# Altium PCB 🤣Jlinkv9mini.PcbDoc (continued)
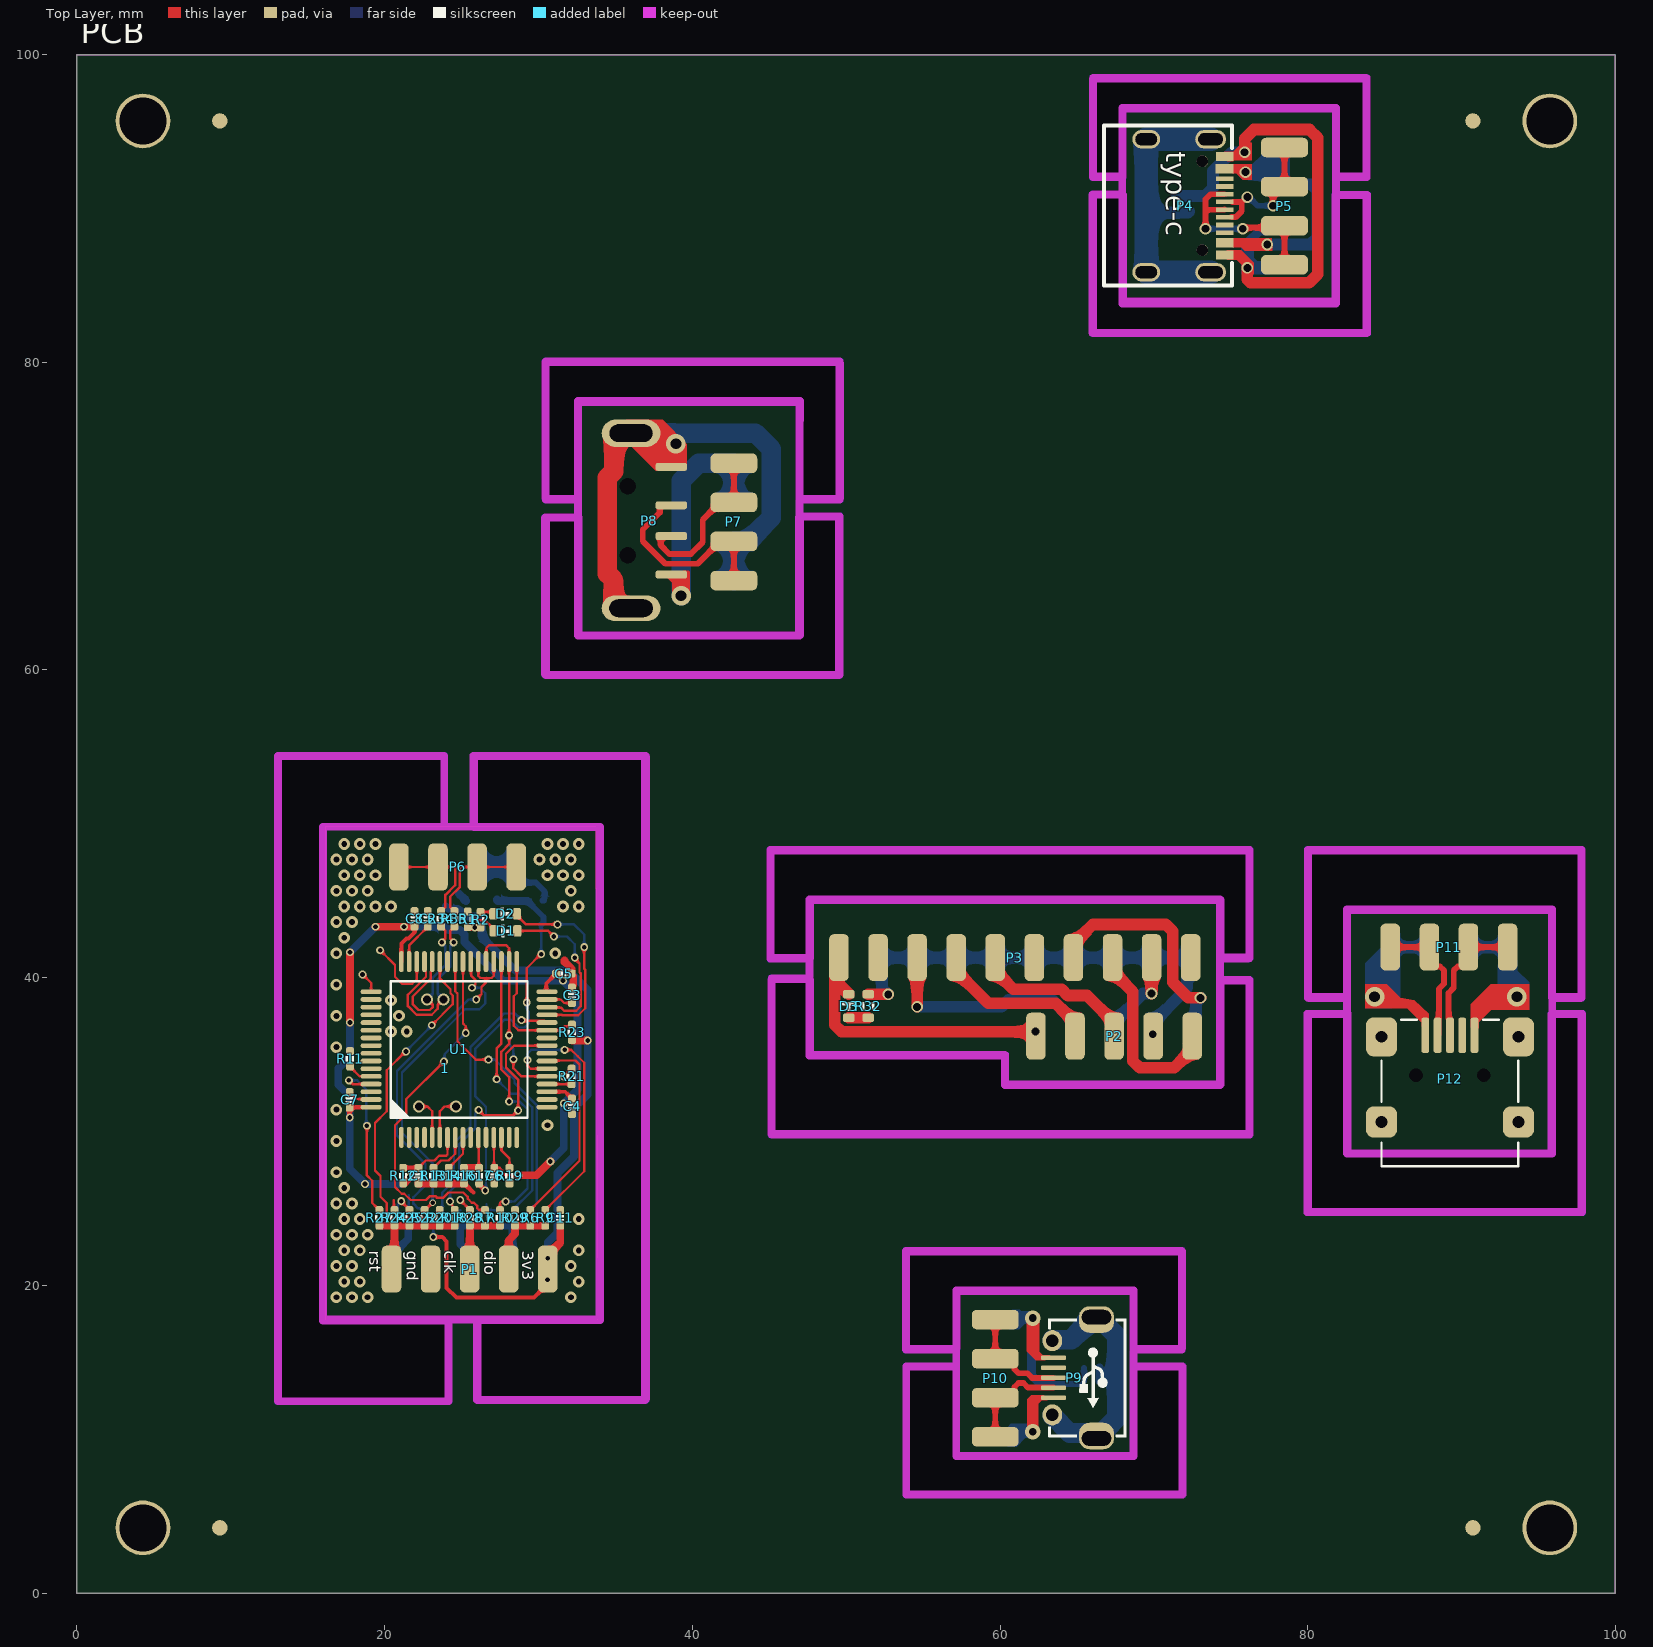
[diagram p0: Top Layer view]
## Footprints (in the part's own frame and the unit in brackets; to place one, negate y for a bottom-side part, rotate by r counter-clockwise, add the part's x,y. Pads: shape width x height; smd on the part's side, far side on the other; paste and mask are expansions set on the pad)
_LQFP_P0.5_64 [mil]
  oval 54x12 smd: 1(-225,147.64) 2(-225,127.95) 3(-225,108.27) 4(-225,88.58) 5(-225,68.9) 6(-225,49.21) 7(-225,29.53) 8(-225,9.84) 9(-225,-9.84) 10(-225,-29.53) 11(-225,-49.21) 12(-225,-68.9) 13(-225,-88.58) 14(-225,-108.27) 15(-225,-127.95) 16(-225,-147.64) 33(225,-147.64) 34(225,-127.95) 35(225,-108.27) 36(225,-88.58) 37(225,-68.9) 38(225,-49.21) 39(225,-29.53) 40(225,-9.84) 41(225,9.84) 42(225,29.53) 43(225,49.21) 44(225,68.9) 45(225,88.58) 46(225,108.27) 47(225,127.95) 48(225,147.64)
  oval 12x54 smd: 17(-147.64,-225) 18(-127.95,-225) 19(-108.27,-225) 20(-88.58,-225) 21(-68.9,-225) 22(-49.21,-225) 23(-29.53,-225) 24(-9.84,-225) 25(9.84,-225) 26(29.53,-225) 27(49.21,-225) 28(68.9,-225) 29(88.58,-225) 30(108.27,-225) 31(127.95,-225) 32(147.64,-225) 49(147.64,225) 50(127.95,225) 51(108.27,225) 52(88.58,225) 53(68.9,225) 54(49.21,225) 55(29.53,225) 56(9.84,225) 57(-9.84,225) 58(-29.53,225) 59(-49.21,225) 60(-68.9,225) 61(-88.58,225) 62(-108.27,225) 63(-127.95,225) 64(-147.64,225)
  silkscreen extent -175,-175 175,175, body extent -236,-236 236,236, height 59
_SOT23-3 [mil]
  rrect50% 30x24 smd: 1(-47,38) 2(-47,-38) 3(47,0)
  silkscreen extent -21,-53 21,53, body extent -55,-57 55,57, height 51
CAP_0402 [mil]
  rrect50% 20x20 smd: 1(-20,0) 2(20,0)
  silkscreen extent -7,-9 7,9, body extent -23,-10 23,10, height 22
"FER 0603/1608" [mm] "Chip Ferrite, 2-Leads, Body 1.60x0.80mm, IPC Medium Density"
  rect 0.9x1 smd: 1(-0.675,0) 2(0.675,0)
  silkscreen extent -1.4,-0.7 1.4,0.7, body extent -0.8,-0.41 0.8,0.41, height 0.82
HDR2X4_2.54_180H [mil]
  rrect50% 120x50 smd: 1(0,0) 3(0,-100) 5(0,-200) 7(0,-300)
  rrect50% 120x50 smd far side: 2(0,0) 4(0,-100) 6(0,-200) 8(0,-300)
  body extent -38,-350 415,50, height 78
HDR2X4_2.54_180HF [mil]
  rrect50% 120x50 smd: 1(0,0) 3(0,-100) 5(0,-200) 7(0,-300)
  rrect50% 120x50 smd far side: 2(0,0) 4(0,-100) 6(0,-200) 8(0,-300)
  body extent -36,-355 425,55, height 76
HDR2X5_2.54_180H [mil]
  rrect50% 120x50 smd: 1(0,0) 3(0,-100) 5(0,-200) 7(0,-300) 9(0,-400)
  rrect50% 120x50 smd far side: 2(0,0) 4(0,-100) 6(0,-200) 8(0,-300) 10(0,-400)
  body extent -68,-450 385,50, height 100
HDR2X10_2.54_180HF [mil]
  rrect50% 120x50 smd: 1(0,0) 3(0,-100) 5(0,-200) 7(0,-300) 9(0,-400) 11(0,-500) 13(0,-600) 15(0,-700) 17(0,-800) 19(0,-900)
  rrect50% 120x50 smd far side: 2(0,0) 4(0,-100) 6(0,-200) 8(0,-300) 10(0,-400) 12(0,-500) 14(0,-600) 16(0,-700) 18(0,-800) 20(0,-900)
  body extent -41,-955 420,55, height 76
IMAGE [mm]
LED_0603 [mil]
  rrect50% 22x30 smd: 1(-30,0) 2(30,0)
  silkscreen extent -10,-16 10,16, body extent -31,-16 32,16, height 21
"MURATA CSTCE" [mm] "murata CSTCE serials crystal"
  rrect50% 0.5x2 smd: 1(-1.199,0) 3(1.199,0)
  rrect50% 0.5x1.6 smd: 2(0,0)
  silkscreen extent -1.78,-1.27 1.78,1.27, body extent -1.6,-0.64 1.6,1.52, height 1.02
PCB_100x100 [mm]
  round 1 smd mask+1: 0(-40.72,45.72) 0(-40.72,-45.72) 0(40.72,-45.72) 0(40.72,45.72)
  round 3.556 hole 3.048 mask+0: 1(-45.72,45.72) 2(-45.72,-45.72) 3(45.72,-45.72) 4(45.72,45.72)
PPTC_0603 [mil]
  rrect50% 22x30 smd: 1(-30,0) 2(30,0)
  silkscreen extent -10,-3 10,3, body extent -31,-15 31,15, height 30
RES_0402 [mil]
  rrect50% 20x20 smd: 1(-20,0) 2(20,0)
  silkscreen extent -7,-10 7,10, body extent -20,-10 20,10, height 16
RES_0603 [mil]
  rrect50% 22x30 smd: 1(-30,0) 2(30,0)
  silkscreen extent -10,-16 10,16, body extent -32,-16 32,16, height 20
"TP Circle" [mm]
  round 1 smd: 1(0,0)
  silkscreen extent -0.76,-0.76 0.76,0
USB_Micro-AB [mil]
  rrect80% 68x90 hole 37 slot 75 at 90 deg copper offset 6,0 mask+0: 0(-155,10)
  oval 54x50 hole 32 mask+0: 0(-95,-103) 0(95,-103)
  rrect80% 68x90 hole 37 slot 75 at 90 deg copper offset -6,0 mask+0: 0(155,10)
  rrect50% 12x64 smd: 1(51.18,-100) 2(25.59,-100) 3(0,-100) 4(-25.59,-100) 5(-51.18,-100)
  silkscreen extent -151,-113 151,86, body extent -161,-109 161,104, height 108
USB_Mini-B [mil]
  rrect50% 80x80 smd: 0(-175.2,221.69) 0(175.2,221.69)
  rrect50% 80x100 smd: 0(-175.2,3.94) 0(175.2,3.94)
  round 23.62 hole 35.43 unplated: 0(-86.61,102.36) 0(86.61,102.36)
  rrect50% 20x90 smd: 1(62.99,0) 2(31.5,0) 3(0,0) 4(-31.5,0) 5(-62.99,0)
  silkscreen extent -175,-40 175,335, body extent -211,-28 211,335, height 156
USB_Plug_TypeA [mil]
  round 32 hole 42: 0(-106.3,88.58) 0(-106.3,-88.58)
  rrect50% 80x20 smd: 1(-218,137.8) 2(-218,39.37) 3(-218,-39.37) 4(-218,-137.8)
  oval 150x65 hole 45 slot 111 at 0 deg: 4(-115,224)
  oval 150x70 hole 45 slot 110 at 0 deg: 4(-115,-224)
  body extent -146,-236 576,236, height 70
USB_TypeC [mm]
  oval 1.2x2 hole 0.8 slot 1.6 at 90 deg: 0(-4.32,1.633) 0(4.32,1.633)
  oval 1.2x1.8 hole 0.8 slot 1.4 at 90 deg: 0(-4.32,-2.547) 0(4.32,-2.547)
  rect 0.3x1.15 smd: A1(-3.35,2.546) A4(-2.55,2.543) A5(-1.25,2.547) A6(-0.25,2.547) A7(0.25,2.546) A8(-1.75,2.547) A9(2.55,2.547) A12(3.35,2.547) B1(3.05,2.547) B4(2.25,2.547) B5(1.75,2.547) B6(0.75,2.547) B7(-0.75,2.546) B8(1.25,2.547) B9(-2.25,2.543) B12(-3.05,2.546)
  round 0.75 hole 0.75 unplated: ""(-2.89,1.102) ""(2.89,1.102)
  silkscreen extent -5.21,-5.3 5.18,3.03, body extent -4.47,-5.1 4.47,2.8, height 3.21

## Part data
C1 C2 C3 C4 C5 C6 C7 C8 C9 C10 C11 C12 C13: library part Cap_0402, "Capacitor", Specification="X7R 50V", Type=0402
D1 D2 D3: library part LED_0603, "LED", Type=0603
F1: library part Fuse, "resettable fuse"
FB1: "Ferrite Bead"
P1 P2 P3 P5 P6 P7 P10 P11: "Header"
P4: library part USB_TypeC, "USB type-c cable"
P8: "USB"
P9: library part USB_Micro, "USB", Type=B-type
P12: library part USB_Mini, "USB"
PCB: "PCB"
R1 R2 R3 R4 R5 R6 R7 R8 R9 R10 R11 R12 R13 R14 R15 R16 R17 R18 R19 R20 R21 R22 R23 R24 R25 R26 R27 R28 R29 R30 R31 R32 R33 R34 R35 R36: library part Res, "SMT Resistor"
TP1 TP2: library part "Test Point", "Test"
U1: "ARM Cortex-M3 32-bit MCU, 512 KB Flash, 128 KB Internal RAM, 51 I/Os, 64-pin LQFP, -40 to 85 degC, Tray", I/Os (High Current)=51, Operating Frequency(F) (Processor speed) (MHz)=120, Supplier Part Number 1=497-11155-ND, Supply Voltage(Vcc) min (V)=1.8, ComponentLink1Description="Manufacturer URL", ComponentLink1URL=http://www.st.com/web/en/home.html, ComponentLink2Description=Datasheet, ComponentLink2URL=http://www.st.com/st-web-ui/static/active/en/resource/technical/document/datasheet/CD00237391.pdf, ComponentLink3Description="Package Specification", ComponentLink3URL=http://www.st.com/st-web-ui/static/active/en/resource/technical/document/datasheet/DM00037051.pdf, Core="ARM Cortex-M3", D/A Converter="2x12-bit (2 Channel)", DatasheetVersion="Rev. 9", FLASH Size (Prog) (kB)=512, Internal RAM Size (kB)=128, Mounting Technology="Surface Mount", PackageDescription="64-Pin Low Profile Quad Flat Package, 10 x 10 mm Body, 0.5 mm Pitch", PackageReference=LQFP64, PackageVersion="Rev. 4, 06/2013", Packing=Tray, PartNumber=STM32F205RET6, Supplier 1=Digi-Key, Supplier 2=Farnell, Supplier 3=Newark, Supplier 4=Mouser, Supplier Part Number 2=2060897, Supplier Part Number 3=47T9329, Supplier Part Number 4=511-STM32F205RET6
U2: "Regulator LDO"
Y1: library part XTAL_MURATA_3P, "Crystal Oscillator With Caps Inside"

## Free pads (board coordinates)
  round 1.524 hole 0.762: 2(84.79,36.155) 3(84.79,30.624) 4(93.69,30.624) 5(93.69,36.155)

## Via types
v1: diameter 0.762, hole 0.381, Top Layer to Bottom Layer, tented both sides, 66 vias
v2: diameter 0.508, hole 0.305, Top Layer to Bottom Layer, tented both sides, 47 vias
v3: diameter 0.762, hole 0.508, Top Layer to Bottom Layer, 14 vias
v4: diameter 0.762, hole 0.508, Top Layer to Bottom Layer, tented both sides, 4 vias
v5: diameter 1.27, hole 0.711, Top Layer to Bottom Layer, 4 vias
v6: diameter 0.508, hole 0.305, Top Layer to Bottom Layer, 3 vias
v7: diameter 1.016, hole 0.508, Top Layer to Bottom Layer, 2 vias
v8: diameter 0.406, hole 0.305, Top Layer to Bottom Layer, tented both sides, 1 vias

## Nets (pads, with @x,y where several pads share a name; then routed paths per layer and width w, separated by ;. In a path a pad name is that pad's centre, name@x,y a point inside that pad or via, vN(x,y) a via of type N, cw(c..) or ccw(c..) an arc to the next point about the centre after c; other vN are vias at no path point)
+3V3: C4.2 C5.2 C6.2 C7.2 C8.2 FB1.1 R12.2 U1.13 U1.19 U1.32 U1.48 U1.64 | length 65.2
  Top Layer w0.152: C7.2 C7.2@17.764,31.583 ; U1.48@21.087,41.052 U1.48 ; R12.2 R12.2@21.209,26.631 ; v2@21.62,27.042 v2(21.62,27.052) ; U1.13 27.111,29.598 C6.2@27.111,27.657 ; C6.2 27.483,27.637 27.635,27.484 27.635,27.362 27.844,27.154 v2(28.702,27.154) ; U1.32@30.505,39.134 U1.32
  Top Layer w0.254: v2(17.729,30.913) C7.2 ; C7.2@17.764,31.583 U1.64 ; U1.48@21.087,41.052 21.087,42.221 21.412,42.546 21.544,42.546 21.946,42.948 C8.2 ; U1.32@30.505,39.134 30.505,39.625 C5.2 v2(31.598,39.803) ; U1.19 31.74,32.583 C4.2 31.917,31.876 31.697,31.876 v2(31.648,31.828)
  Top Layer w0.508: v2(17.755,37.085) v2(17.755,41.657) ; v2(19.406,43.308) v2(21.26,43.308) C8.2 ; R12.2@21.209,26.631 v2@21.62,27.042 ; v2(28.702,27.154) 29.87,27.154 v2(30.772,28.056)
  Bottom Layer w0.254: FB1.1@23.963,43.308 FB1.1
  Bottom Layer w0.508: v2(17.755,37.085) 17.755,34.85 16.993,34.088 16.993,33.047 17.729,32.31 v2(17.729,30.913) 17.729,27.586 v2(18.72,26.595) 21.162,26.595 v2(21.62,27.052) ; v2(17.755,41.657) v2(19.406,43.308) ; v2(21.26,43.308) FB1.1@23.963,43.308 ; FB1.1 24.174,43.098 24.899,43.098 25.197,42.8 25.197,42.318 27.711,39.803 v2(31.598,39.803) 32.537,38.863 32.537,32.717 v2(31.648,31.828) 31.648,28.932 v2(30.772,28.056)
+3V3_ldo: C10.2 C11.2 FB1.2 P1.1 P1.2 R1.2 R2.2 R3.2 R23.1 R25.1 U2.2 | length 53.2
  Top Layer w0.152: v2(21.082,25.478) 21.082,25.454 21.62,24.917 R25.1 ; R1.2 R1.2@25.413,43.27 ; R2.2@26.226,43.27 R2.2
  Top Layer w0.254: v2(23.165,23.141) 23.749,23.141 24.028,22.861 24.028,19.839 24.663,19.204 29.718,19.204 P1.1@30.531,20.017
  Top Layer w0.381: R1.2@25.413,43.27 R2.2@26.226,43.27
  Top Layer w0.508: v6(30.607,21.769) 30.607,21.981 31.42,22.794 C11.2 ; R23.1 32.199,35.917 v2(33.198,35.917)
  Bottom Layer w0.152: v2(21.082,25.478) 20.853,25.249 20.853,24.815 21.308,24.36 22.935,24.36 23.165,24.36 ; v2(23.165,23.141) 23.165,24.36 ; R3.2 24.81,24.784 24.438,24.784 24.014,24.36 23.165,24.36
  Bottom Layer w0.508: FB1.2 24.174,44.448 24.819,44.448 C10.2 25.991,43.969 26.289,43.671 26.289,42.75 U2.2 26.34,42.623 28.499,40.464 31.928,40.464 33.198,39.194 v2(33.198,35.917) 33.198,32.412 32.309,31.523 32.309,28.373 31.242,27.306 31.242,23.42 30.607,22.785 v6(30.607,21.769)
  other v2: 25.856,43.258
  other v6: 30.585,20.372
+5V: C9.2 F1.2 R17.2 U2.3 | length 25.7
  Top Layer w0.152: v2(29.235,38.381) 29.235,40.616 30.15,41.53 v2(30.175,41.53)
  Top Layer w0.254: R17.2@26.115,26.592 v2(26.543,26.163)
  Bottom Layer w0.152: v2(26.543,26.163) 26.594,26.214 26.594,31.596 26.543,31.647 26.543,31.65 25.883,32.31 25.883,35.359 27.38,36.857 27.785,37.262 28.196,37.262 28.701,36.756 29.101,36.756 29.384,37.039 29.384,37.774 29.259,37.898 29.259,38.357 v2(29.235,38.381) ; v2(30.175,41.53) F1.2@30.175,43.461
  Bottom Layer w0.381: C9.2 30.328,43.943 30.328,43.613 F1.2@30.175,43.461
  Bottom Layer w0.508: U2.3 27.305,45.036 27.356,44.985 C9.2
+usb_a: P7.2 P7.4 P8.1 | length 13.9
  Bottom Layer w1.27: v5(39.268,64.821) 39.268,72.288 40.411,73.431 P7.2 P7.4
+usb_c: P4.A4 P4.A9 P4.B4 P4.B9 P5.2 P5.4 | length 8.9
  Bottom Layer w0.762: v3(77.368,87.655) 80.173,87.655 80.62,88.102 80.62,91.186 80.239,91.567 78.638,91.567 P5.4
  other v3: 75.946,92.354
+usb_micro: P9.1 P10.2 P10.4
  other v7: 62.128,10.49
+usb_mini: P11.2 P11.4 P12.1 | length 3.4
  Top Layer w0.381: P12.1 P12.1@87.64,37.144
  Bottom Layer w0.762: P11.2 P11.4
  other v5: 84.348,38.76
+VBUS: F1.1 P6.6 P6.8 | length 6.1
  Bottom Layer w0.381: P6.8 28.55,46.614 28.984,46.179 29.82,46.179 30.404,45.594 30.404,45.166 30.248,45.01 F1.1
  Bottom Layer w1.27: P6.6 P6.8
-usb_a: P7.6 P7.8 P8.4 | length 33.4
  Top Layer w1.27: P8.4@36.017,64.008 35.041,64.008 34.865,64.184 34.865,65.872 34.475,66.261 34.475,72.495 34.904,72.923 34.904,75.153 35.139,75.387 P8.4@36.017,75.387
  Bottom Layer w1.27: P8.4@36.017,75.387 44.094,75.387 45.136,74.346 45.136,69.901 43.586,68.351 P7.6 P7.8
  other v5: 38.925,74.701
-usb_c: C12.2 P4.A1 P4.A12 P4.B1 P4.B12 P5.6 P5.8 R33.2 | length 26.9
  Top Layer w0.254: P4.B12@74.572,93.197 P4.B12
  Top Layer w0.762: v3(75.895,93.65) 75.895,94.537 76.481,95.123 80.112,95.123 80.645,94.59 80.645,85.725 80.086,85.166 76.284,85.166 76.073,85.377 v3(76.073,86.131)
  Bottom Layer w0.762: C12.2 73.304,90.805 73.838,91.338 73.838,92.431 75.057,93.65 v3(75.895,93.65)
-usb_micro: C13.2 P9.5 P10.6 P10.8 R36.2 | length 1.8
  Bottom Layer w0.381: 64.592,13.589 65.278,13.589 R36.2 C13.2
  other v7: 62.128,17.874
-usb_mini: P11.6 P11.8 P12.5 | length 2.5
  Bottom Layer w0.762: P11.6 P11.8
  other v5: 93.593,38.76
GND: C1.2 C2.1 C3.1 C4.1 C5.1 C6.1 C7.1 C8.1 C9.1 C10.1 C11.1 P1.7 P1.8 P6.2 P6.4 PCB.1 PCB.2 PCB.3 PCB.4 R11.2 R13.1 R14.1 R16.1 R19.1 R21.1 R24.1 R26.1 R28.1 R29.1 R30.1 R31.1 U1.12 U1.18 U1.63 U2.1 Y1.2 | length 13.3
  Top Layer w0.152: C7.1 18.184,32.109 19.1,32.109 U1.63 ; 20.599,25.553 20.599,24.934 R24.1 ; v2(24.916,25.554) 24.916,25.535 25.54,24.912 R28.1 ; v2(31.648,33.58) 32.029,33.961 R21.1
  Top Layer w0.254: R16.1@25.18,26.621 25.765,26.036
  Top Layer w0.508: C1.2 R14.1 R16.1 R16.1@25.18,26.621 ; 31.698,41.124 31.698,41.028 32.156,40.57 C5.1 32.156,40.178 32.258,40.077 32.258,39.53 32.182,39.454 C3.1
  Bottom Layer w0.152: R26.1 21.565,24.927 21.565,25.859 ; R30.1 26.618,24.893 ; 26.618,24.482 26.618,24.893 ; 26.618,25.276 26.618,24.893 ; R31.1 26.618,24.893
  Bottom Layer w0.508: 24.818,45.465 C10.1
  other v1: 16.866,19.228 17.882,19.228 18.898,19.228 32.106,19.228 17.374,20.244 18.39,20.244 32.614,20.244 16.866,21.26 17.882,21.26 32.106,21.26 17.374,22.276 18.39,22.276 32.614,22.276 16.866,23.292 17.882,23.292 18.898,23.292 17.374,24.308 18.39,24.308 32.614,24.308 16.866,25.324 17.882,25.324 17.374,26.34 16.866,27.356 16.866,29.388 30.582,30.404 16.866,31.42 16.866,35.484 20.422,36.5 21.438,36.5 16.866,37.516 20.93,37.516 20.422,38.532 16.866,39.548 16.866,41.58 31.09,41.58 17.374,42.596 16.866,43.612 17.882,43.612 17.374,44.628 18.39,44.628 19.406,44.628 20.422,44.628 31.598,44.628 32.614,44.628 16.866,45.644 17.882,45.644 18.898,45.644 32.106,45.644 17.374,46.66 18.39,46.66 19.406,46.66 30.582,46.66 31.598,46.66 32.614,46.66 16.866,47.676 17.882,47.676 18.898,47.676 30.074,47.676 31.09,47.676 32.106,47.676 17.374,48.692 18.39,48.692 19.406,48.692 30.582,48.692 31.598,48.692 32.614,48.692
jlink_rx: P2.6 P3.17 | length 6.4
  Top Layer w0.762: v3(69.85,38.965) P3.17
  Bottom Layer w0.762: P2.6 67.41,37.085 69.289,38.965 v3(69.85,38.965)
jlink_tx: P2.8 P3.5 | length 15.1
  Top Layer w0.762: v3(54.61,38.101) P3.5
  Bottom Layer w0.762: v3(54.61,38.101) 60.096,38.101 60.554,38.559 63.396,38.559 64.87,37.085 P2.8
mcu_usb_N: R34.1 U1.44 | length 11
  Top Layer w0.152: v4(22.758,38.584) 22.785,38.584 23.139,38.229 23.139,38.103 22.935,37.898 22.2,37.898 21.819,38.279 21.819,38.763 22.994,39.938 22.994,40.376 23.091,40.473 U1.44 ; R34.1 23.685,43.308 23.952,43.041 23.952,42.56 23.724,42.331 v2(23.724,42.292)
  Bottom Layer w0.152: v4(22.758,38.584) 23.139,38.965 23.139,40.006 23.952,40.819 23.952,42.025 23.724,42.254 v2(23.724,42.292)
mcu_usb_P: R35.1 U1.45 | length 12.1
  Top Layer w0.152: U1.45 22.591,40.473 22.689,40.376 22.689,40.064 21.514,38.889 21.514,38.153 22.073,37.593 23.061,37.593 23.444,37.977 23.444,38.229 23.799,38.584 v4(23.825,38.584) ; v2(24.486,42.292) 24.486,42.331 24.257,42.56 24.257,43.041 24.524,43.308 R35.1
  Bottom Layer w0.152: v4(23.825,38.584) 23.444,38.965 23.444,39.879 24.257,40.692 24.257,42.025 24.486,42.254 v2(24.486,42.292)
NetC1_1: C1.1 R12.1 U1.7 | length 4.3
  Top Layer w0.152: C1.1 22.679,28.119 23.234,28.119 23.539,28.424 24.002,28.424 24.091,28.513 U1.7
  Top Layer w0.254: R12.1 C1.1
NetC2_2: C2.2 U1.47 | length 2.8
  Top Layer w0.152: U1.47 21.591,42.091 C2.2
NetC3_2: C3.2 U1.31 | length 1.7
  Top Layer w0.152: U1.31 31.446,38.583 31.674,38.355 32.165,38.355 C3.2
NetC12_1: C12.1 P4.0 R33.1 | length 19.8
  Bottom Layer w0.762: 69.502,89.713 72.212,89.713 R33.1
  Bottom Layer w1.524: P4.0@73.682,85.85 69.502,85.85 69.502,89.713 69.502,94.49 P4.0@73.682,94.49
NetC13_1: C13.1 P9.0 R36.1 | length 18.5
  Bottom Layer w0.381: P9.0@66.269,17.932 P9.0@66.472,17.729
  Bottom Layer w0.508: R36.1 66.472,14.224 ; C13.1@66.472,14.681 66.472,14.224 ; 67.589,14.224 66.472,14.224
  Bottom Layer w1.27: P9.0@63.398,11.582 63.398,11.532 64.525,10.405 65.922,10.405 66.269,10.058 66.365,10.058 66.742,10.435 66.742,10.532 67.589,11.379 67.589,14.224 67.589,16.708 66.365,17.932 66.269,17.932 66.111,17.932 64.638,16.459 63.398,16.459 P9.0@63.398,16.408
NetD1_1: D1.1 R1.1 | length 2.3
  Top Layer w0.152: R1.1 25.959,43.74 26.512,43.74 27.102,43.151 D1.1
NetD2_1: D2.1 R2.1 | length 1
  Top Layer w0.152: R2.1 26.949,44.274 D2.1 D2.1@27.076,44.248
NetD3_2: D3.2 R32.1 | length 1.3
  Top Layer w0.762: D3.2 R32.1
NetR11_1: R11.1 U1.60 | length 1.6
  Top Layer w0.152: R11.1 18.387,33.583 U1.60
NetU1_5: U1.5 Y1.1 | length 2.7
  Top Layer w0.152: v4(22.225,31.624) 22.784,31.624 23.091,31.317 U1.5
NetU1_6: U1.6 Y1.3 | length 2.9
  Top Layer w0.152: U1.6 23.591,31.314 23.901,31.624 v4(24.638,31.625)
PA0: R19.2 U1.14 | length 2.2
  Top Layer w0.152: U1.14 27.591,28.773 28.118,28.246 R19.2
PA1: U1.15
PA2: U1.16
PA3: U1.17
PA4: R21.2 U1.20 | length 1.6
  Top Layer w0.152: U1.20 30.561,33.078 32.151,33.078 R21.2
PA5: R10.1 U1.21 U1.34 U1.37 | length 26.9
  Top Layer w0.152: U1.37 26.62,41.077 26.62,41.938 26.797,42.115 27.889,42.115 28.091,41.913 U1.34 28.092,41.047 v2(28.092,36.247) 28.092,35.684 27.584,35.176 27.584,34.037 28.091,33.531 v2(28.091,31.955) ; R10.1@27.678,24.893 R10.1 27.5,25.368 27.584,25.452 v2(27.864,25.452) ; v2(28.372,34.698) 28.372,34.112 28.901,33.583 U1.21
  Bottom Layer w0.152: v2(27.864,25.452) 28.437,25.452 29.286,26.302 29.286,31.443 28.775,31.955 v2(28.091,31.955) ; v2(28.092,36.247) 28.118,36.222 28.118,35.621 28.372,35.367 v2(28.372,34.698)
PA6: R9.1 U1.22 | length 16.9
  Top Layer w0.152: v2(29.292,34.639) 29.292,34.295 29.503,34.083 U1.22 ; R9.1 32.969,27.423 32.969,34.475 32.553,34.891 32.136,35.307 v2(31.699,35.307)
  Bottom Layer w0.152: v2(29.292,34.639) 29.292,35.074 29.525,35.307 v2(31.699,35.307)
PA7: R6.1 U1.23 | length 13
  Top Layer w0.152: R6.1 32.664,28.098 32.664,34.348 32.401,34.612 30.585,34.612 U1.23
PA8: R5.1 U1.41 | length 19.3
  Top Layer w0.152: U1.41 24.591,39.111 24.74,38.963 24.74,35.862 25.929,34.672 v2(26.746,34.672)
  Bottom Layer w0.152: v2(26.746,34.672) 27.153,34.672 28.442,33.384 28.442,33.15 29.896,31.696 29.896,25.351 R5.1
PA9: U1.42
PA10: R20.1 U1.43 | length 22.9
  Top Layer w0.152: v2(21.387,35.206) 21.361,35.206 20.142,33.987 20.142,31.32 19.38,30.558 19.38,27.459 19.736,27.103 19.736,25.757 20.142,25.351 20.142,24.634 20.365,24.411 23.097,24.411 R20.1 ; v2(23.063,36.908) 24.435,38.279 24.435,38.837 24.286,38.985 24.286,39.244 23.591,39.94 U1.43
  Bottom Layer w0.152: v2(21.387,35.206) 21.387,35.219 23.063,36.895 v2(23.063,36.908)
PA13: TP2.1 U1.46 | length 5
  Top Layer w0.152: v2(19.71,41.784) 20.676,40.819 20.676,40.057 21.133,39.6 21.794,39.6 22.091,39.897 U1.46
PA14: TP1.1 U1.49 | length 1.4
  Top Layer w0.152: v2(18.567,40.21) 19.126,39.651 U1.49
PA15: U1.50
PB0: U1.26
PB1: R23.2 U1.27 U1.33 | length 8.3
  Top Layer w0.152: U1.33 28.591,38.981 28.397,38.787 28.397,36.875 28.696,36.576 30.549,36.576 U1.27 31.451,36.583 31.699,36.831 32.063,36.831 R23.2
PB2: R4.1 U1.28 | length 17.5
  Top Layer w0.152: v2(28.901,37.239) 28.938,37.202 30.389,37.202 30.532,37.059 U1.28
  Bottom Layer w0.152: R4.1 23.744,24.941 23.744,26.04 24.511,26.808 24.511,29.262 25.578,30.329 25.578,35.485 27.432,37.339 27.759,37.667 28.473,37.667 v2(28.901,37.239)
PB3: U1.55
PB4: U1.56
PB5: U1.57
PB6: U1.58
PB7: U1.59
PB8: R27.1 U1.61 | length 11.1
  Top Layer w0.152: v6(17.678,33.326) 17.922,33.083 U1.61 ; v2(18.847,30.38) 18.847,27.151 19.202,26.795 19.202,25.351 R27.1
  Bottom Layer w0.152: v6(17.678,33.326) 18.212,33.326 18.805,32.733 18.805,30.422 v2(18.847,30.38)
PB9: U1.62
PB10: D2.2 U1.29 | length 12.5
  Top Layer w0.152: D2.2 28.6,44.045 29.185,43.461 v2(31.241,43.461) ; U1.29 31.505,37.583 31.536,37.551 32.582,37.551 33.045,38.014 33.045,40.509 32.969,40.585 v2(32.969,41.986)
  Bottom Layer w0.152: v2(31.241,43.461) 32.308,43.461 32.969,42.799 v2(32.969,41.986)
PB11: D1.2 U1.30 | length 10.7
  Top Layer w0.152: D1.2 30.635,43.041 v2(31.003,42.673) ; U1.30 30.585,38.054 31.465,38.054 31.663,37.856 32.456,37.856 32.741,38.14 32.741,40.277 32.664,40.353 32.664,40.925 32.358,41.231 v2(32.358,41.302)
  Bottom Layer w0.152: v2(31.003,42.673) 31.85,42.673 32.358,42.165 v2(32.358,41.302)
PB14: R8.1 U1.35 | length 18.1
  Top Layer w0.152: v2(27.28,33.402) 27.28,35.402 27.591,35.714 U1.35
  Bottom Layer w0.152: v2(27.28,33.402) 28.23,32.452 28.709,32.452 29.591,31.57 29.591,26.175 R8.1
PB15: R15.1 U1.36 U1.38 | length 22.4
  Top Layer w0.152: v2(25.959,38.584) 26.302,38.927 26.302,39.384 26.594,39.676 26.594,39.981 ; U1.38 26.091,40.128 26.238,39.981 26.594,39.981 ; U1.36 27.091,40.123 26.949,39.981 26.594,39.981
  Bottom Layer w0.152: R15.1 22.551,25.003 22.179,25.003 21.869,25.313 21.869,25.733 22.657,26.52 22.657,27.891 20.803,29.745 20.803,33.936 25.451,38.584 v2(25.959,38.584)
PC0: R13.2 U1.8 | length 2.9
  Top Layer w0.152: R13.2 23.666,28.119 24.155,28.119 24.591,28.555 U1.8
PC1: R14.2 U1.9 | length 2.4
  Top Layer w0.152: R14.2 25.091,28.558 U1.9
PC2: U1.10
PC3: R16.2 R17.1 U1.11 | length 3
  Top Layer w0.152: U1.11 26.118,29.592 26.118,27.663 R17.1
  Top Layer w0.508: R16.2 R17.1
PC4: U1.24
PC5: R18.1 U1.25 | length 17.1
  Top Layer w0.152: v2(24.256,25.452) 24.256,25.356 24.413,25.199 24.413,25.04 R18.1 ; v2(26.111,31.396) 26.441,31.066 28.372,31.066 v2(28.677,31.37) 28.677,33.376 27.889,34.164 27.889,35.05 28.422,35.583 U1.25
  Bottom Layer w0.152: v2(24.256,25.452) 24.256,26.121 24.841,26.707 24.841,29.161 25.883,30.203 25.883,31.167 v2(26.111,31.396)
PC8: R22.1 U1.39 | length 20.9
  Top Layer w0.152: R22.1@22.6,24.893 22.627,24.893 23.104,25.371 v8(23.12,25.371) ; U1.39 25.62,41.019 25.62,40.134 25.908,39.847 25.908,39.575 v2(25.679,39.346)
  Bottom Layer w0.152: v8(23.12,25.371) 23.12,27.935 21.133,29.923 21.133,33.835 25.247,37.949 26.162,37.949 26.543,38.33 26.543,38.99 26.187,39.346 v2(25.679,39.346)
PC9: R7.1 U1.40 | length 23.7
  Top Layer w0.152: v2(23.851,34.545) 21.412,32.107 21.412,31.142 20.676,30.405 20.676,26.397 21.113,25.96 21.282,25.96 21.693,25.55 22.689,25.55 22.942,25.803 23.299,25.803 23.396,25.706 23.827,25.706 24.158,26.036 25.116,26.036 25.399,25.754 25.399,25.641 25.664,25.376 25.814,25.376 26.022,25.168 26.022,25.018 26.146,24.893 R7.1 ; U1.40 25.091,37.027 25.273,36.845 v2(25.273,36.404)
  Bottom Layer w0.152: v2(23.851,34.545) 23.897,34.592 23.897,35.028 v2(25.273,36.404)
PC10: U1.51
PC11: U1.52
PC12: U1.53
PC13: U1.2
PC14: U1.3
PC15: U1.4
RST: P1.9 R18.2 R20.2 R22.2 R24.2 R25.2 R27.2 | length 7.8
  Top Layer w0.152: P1.9 P1.9@20.64,21.251
  Top Layer w0.508: R27.2 R24.2 ; P1.9@20.64,21.251 R24.2 ; R18.2 R20.2 R22.2 R25.2 R24.2
RXD: P1.6 R3.1 R4.2 R30.2 | length 5.3
  Bottom Layer w0.152: P1.6 P1.6@25.527,22.078
  Bottom Layer w0.508: R4.2 R3.1 ; P1.6@25.527,22.078 24.92,22.684 R3.1 ; R30.2 R3.1
swd_3v3: D3.1 P2.9 P2.10 P3.1 | length 18.8
  Top Layer w0.762: D3.1 49.53,39.549 49.53,40.413 49.276,40.159 49.276,39.358 49.251,39.333 49.251,36.922 49.697,36.476 62.076,36.476 62.33,36.222 P2.9
  other v3: 62.306,36.501
swd_clk: P2.5 P3.9 | length 10.9
  Top Layer w0.762: P3.9 59.69,40.413 60.858,39.244 64.004,39.244 64.41,38.838 65.657,38.838 67.41,37.085 P2.5
swd_dio: P2.7 P3.7 | length 10.9
  Top Layer w0.762: P3.7 57.15,40.413 59.233,38.33 63.625,38.33 64.87,37.085 P2.7
swd_gnd: P2.3 P2.4 P3.4 P3.6 P3.8 P3.10 P3.12 P3.14 P3.16 P3.18 P3.20 R32.2 | length 30
  Top Layer w0.762: R32.2 v3(52.73,38.914)
  Bottom Layer w0.762: v3(52.73,38.914) 52.324,39.321 52.324,41.302 P3.6 P3.8 P3.10 P3.12 P3.14 P3.16 P3.18 P3.20 72.136,41.048 72.136,39.272 69.95,37.085 P2.4
  other v3: 69.924,36.323
swd_rst: P2.1 P3.15 | length 12.7
  Top Layer w0.762: P3.15 67.31,40.413 68.631,39.092 68.631,34.585 69.077,34.139 71.321,34.139 72.49,35.307 P2.1
swd_swo: P2.2 P3.13 | length 16.3
  Top Layer w0.762: P3.13 64.77,42.191 66.04,43.461 70.775,43.461 71.222,43.015 71.222,39.702 72.238,38.686 v3(73.025,38.686)
  Bottom Layer w0.762: P2.2 72.744,36.45 72.744,38.379 v3@73.05,38.686
TCK: P1.5 R7.2 R10.2 R28.2 | length 4.8
  Top Layer w0.152: P1.5 P1.5@25.54,21.071
  Top Layer w0.508: P1.5@25.54,21.071 R28.2 R10.2
TDI: P1.4 R5.2 R8.2 R31.2 | length 5.2
  Bottom Layer w0.152: P1.4 P1.4@28.309,21.3
  Bottom Layer w0.508: R31.2 R8.2 R5.2 ; P1.4@28.309,21.3 R8.2@28.309,23.877
TDO: P1.10 R15.2 R26.2 | length 4.4
  Bottom Layer w0.152: P1.10 P1.10@20.447,21.947
  Bottom Layer w0.508: P1.10@20.447,21.947 21.532,23.032 R26.2 R15.2
TMS: P1.3 R6.2 R9.2 R29.2 | length 5
  Top Layer w0.508: P1.3 28.067,22.938 28.48,23.35 R29.2 R6.2 R9.2
usb_a_N: P7.1 P7.3 P8.2 | length 11
  Top Layer w0.381: P8.2 38.015,68.698 37.952,68.634 37.952,68.095 38.508,67.539 39.903,67.539 40.673,68.308 40.673,69.756 41.808,70.891 P7.3 P7.1
usb_a_P: P7.5 P7.7 P8.3 | length 13.2
  Top Layer w0.381: P8.3 37.952,70.698 37.888,70.634 37.888,70.238 36.779,69.129 36.779,68.37 38.245,66.904 40.361,66.904 41.808,68.351 P7.5 P7.7
usb_c_N: P4.A7 P4.B7 P5.5 P5.7 | length 11.6
  Top Layer w0.381: v3(73.355,88.671) 73.355,89.713 ; P4.A7 74.588,89.913 73.555,89.913 73.355,89.713 ; P4.B7 74.588,90.913 73.678,90.913 73.355,90.59 73.355,89.713 ; v3(75.768,88.671) 75.841,88.744 77.535,88.744 P5.5@77.666,88.875 ; P5.7 P5.5
  Bottom Layer w0.381: v3@73.33,88.697 v3(73.355,88.671) v3(75.768,88.671)
usb_c_P: P4.A6 P4.B6 P5.1 P5.3 | length 8.7
  Top Layer w0.381: P4.B6@75.037,89.427 75.313,89.427 75.706,89.821 75.706,90.413 ; P4.A6@75.108,90.413 75.706,90.413 ; v3@76.048,90.754 75.706,90.413 ; v3(76.073,90.729) v3@76.176,90.729 ; v3(77.749,90.17) 77.749,90.98 78.184,91.415 P5.3 P5.1
  Bottom Layer w0.381: v3@76.176,90.729 76.735,90.17 v3(77.749,90.17)
usb_micro_N: P9.2 P10.1 P10.3 | length 7
  Top Layer w0.381: P10.1 P10.3 60.51,12.7 60.945,13.135 60.945,13.394 61.203,13.652 61.519,13.652 61.818,13.353 63.467,13.353 P9.2
usb_micro_P: P9.3 P10.5 P10.7 | length 7
  Top Layer w0.381: P10.7 P10.5 60.51,15.24 60.945,14.805 60.945,14.546 61.203,14.287 61.782,14.287 62.081,13.988 63.467,13.988 P9.3
usb_mini_N: P11.1 P11.3 P12.2 | length 9
  Top Layer w0.381: P11.1 P11.3 87.904,41.166 88.339,40.731 88.598,40.731 88.856,40.473 88.856,39.605 88.523,39.271 88.523,37.354 88.504,37.335 88.504,36.319 P12.2
usb_mini_P: P11.5 P11.7 P12.3 | length 9
  Top Layer w0.381: P12.3 89.177,36.319 89.177,37.335 89.158,37.354 89.158,39.008 89.491,39.342 89.491,40.473 89.749,40.731 90.009,40.731 90.444,41.166 P11.5 P11.7
usb_N: P6.1 P6.3 R34.2 | length 6.9
  Top Layer w0.152: P6.1 P6.3 24.498,47.195 24.587,47.105 24.587,46.016 23.952,45.381 23.952,44.592 23.685,44.324 R34.2
usb_P: P6.5 P6.7 R35.2 | length 6.9
  Top Layer w0.152: R35.2 24.524,44.324 24.257,44.592 24.257,45.255 24.892,45.89 24.892,47.105 24.981,47.195 P6.5 P6.7
pads on no net: P3.2 P3.3 P3.11 P3.19 P4. P4.A5 P4.A8 P4.B5 P4.B8 P8.0 P9.4 P12.0 P12.4 PCB.0 U1.1 U1.54

## Polygon pours and split planes (outlines as drawn)
GND on Top Layer "Top Layer-GND" (solid, remove dead copper, shelved, pour order 0): 33.755,49.811 16.153,49.811 16.153,17.782 33.882,17.781
GND on Bottom Layer "Bottom Layer-GND" (solid, remove dead copper, shelved, pour order 2): 33.882,49.811 16.153,49.811 16.153,17.782 33.882,17.781

## Keep-outs
Keep-Out Layer:
  lines w0.051: 0,0 99.974,0 99.974,99.974 0,99.974 0,0
  lines w0.508: 13.079,34.925 13.079,54.407 23.876,54.407 23.876,49.811 16.001,49.811 ; 13.081,34.925 13.081,12.471 24.155,12.471 24.155,17.704 16.002,17.704 16.002,34.925 ; 16.001,17.781 34.009,17.781 34.009,49.811 16.001,49.811 ; 16.001,34.925 16.001,49.811 ; 34.011,17.755 26.035,17.755 26.035,12.573 36.932,12.573 36.932,54.407 25.806,54.407 25.806,49.811 34.011,49.811 ; 46.965,71.145 46.965,76.2 ; 46.99,62.255 46.99,69.977 49.53,69.977 49.53,59.69 30.48,59.69 30.48,69.901 32.563,69.901 32.563,62.23 ; 46.99,71.12 49.53,71.12 ; 49.573,71.12 49.573,80.01 30.479,80.01 30.479,71.12 32.563,71.12 32.563,77.47 ; 32.563,62.23 46.965,62.23 ; 32.563,62.23 46.965,62.23 ; 32.563,62.23 32.563,77.47 ; 32.563,77.47 46.99,77.47 46.99,76.225 46.965,76.2 ; 46.965,62.23 46.965,76.2 ; 47.625,34.925 47.625,39.903 45.161,39.903 45.161,29.845 76.2,29.845 76.2,39.803 74.322,39.803 74.322,33.047 74.295,33.02 ; 47.625,34.925 60.325,34.925 60.325,33.783 60.325,33.02 ; 47.625,34.925 47.625,45.085 ; 47.625,45.085 47.625,41.275 45.618,41.275 45.085,41.275 45.085,48.26 76.2,48.26 76.2,41.302 74.322,41.302 74.322,45.058 74.295,45.085 ; 47.625,45.085 74.295,45.085 ; 47.625,45.085 74.295,45.085 ; 57.15,19.685 57.15,15.875 53.899,15.875 53.899,22.197 71.806,22.197 71.806,15.875 68.682,15.875 68.682,19.685 ; 57.15,19.685 68.682,19.685 ; 57.15,19.685 68.682,19.685 ; 57.15,19.685 57.15,8.89 68.682,8.89 68.682,19.685 ; 60.325,33.02 74.295,33.02 ; 60.325,33.02 74.295,33.02 ; 60.325,33.02 74.295,33.02 ; 67.945,83.82 81.839,83.82 ; 67.945,83.82 81.839,83.82 ; 67.945,83.82 67.945,90.881 66.04,90.881 66.04,81.915 83.82,81.915 83.82,90.856 81.839,90.856 81.839,83.82 ; 67.945,96.52 67.945,92.075 66.04,92.075 66.04,98.425 83.82,98.425 83.82,92.075 81.915,92.075 81.839,92.151 81.839,96.52 ; 67.945,96.52 81.839,96.52 ; 67.945,96.52 81.839,96.52 ; 67.945,96.52 67.945,83.947 81.28,83.947 81.839,83.947 81.839,96.52 ; 74.295,33.02 74.295,45.085 ; 82.55,28.575 83.82,28.575 95.885,28.575 ; 82.55,28.575 82.55,37.643 80.01,37.643 80.01,24.765 97.79,24.765 97.79,37.643 95.885,37.643 95.885,28.575 ; 82.55,28.575 95.733,28.575 95.885,28.575 ; 82.55,28.575 82.55,44.45 ; 82.55,28.575 83.185,28.575 95.885,28.575 ; 82.55,44.45 95.733,44.45 95.885,44.45 ; 82.55,44.45 82.55,38.735 80.01,38.735 80.01,48.26 97.79,48.26 97.79,38.735 95.885,38.735 95.885,44.45 ; 82.55,44.45 83.82,44.45 95.885,44.45 ; 95.885,28.575 95.885,44.45 ; 53.899,6.406 53.899,14.732 57.15,14.732 57.15,8.918 68.682,8.918 68.682,14.732 71.857,14.732 71.857,6.406 53.899,6.406

## Other copper
Top Layer:
  region net -usb_c: 74.727,87.274 75.667,87.274 76.479,86.462 76.479,85.725 75.717,85.725 75.717,86.335 75.387,86.665 74.752,86.665 74.597,86.82
  region net +usb_c: 74.956,88.061 77.648,88.061 77.699,87.249 75.91,87.249 75.681,87.478 75.108,87.478
  region net +usb_c: 74.828,92.862 76.352,92.862 76.352,91.872 75.768,91.872 75.362,92.278 75.082,92.278
  region net -usb_c: 74.574,93.675 75.159,93.675 75.743,94.259 76.352,94.259 76.352,93.142 75.235,93.142 75.159,93.066 74.75,93.066 74.595,93.22
  region net -usb_a: 39.548,72.949 37.617,72.949 35.712,74.854 35.712,76.251 38.075,76.251 39.649,74.676 39.649,73.355
  region net +usb_a: 38.405,65.964 38.71,65.659 38.71,64.592 39.827,64.592 39.827,66.37 39.751,66.446 39.446,66.446
  region net -usb_micro: 63.246,15.443 62.763,15.443 62.535,15.672 62.535,18.161 61.722,18.161 61.722,15.723 62.306,15.138 62.941,15.138
  region net +usb_micro: 63.068,12.548 62.713,12.548 62.484,12.319 62.484,10.49 61.773,10.49 61.773,12.598 62.027,12.852 62.84,12.852
  region net -usb_mini: 90.596,36.779 90.596,38.278 91.891,39.573 94.381,39.573 94.381,37.922 91.917,37.922 91.104,37.109 91.104,36.678
  region net +usb_mini: 87.396,36.83 87.396,37.059 86.456,37.998 83.738,37.998 83.738,39.573 85.135,39.573 86.024,38.684 86.913,38.532 87.878,37.668 87.878,37.084 87.853,37.059
Bottom Layer:
  region net -usb_c: 77.597,89.027 77.064,89.027 76.949,89.014 75.692,87.757 75.692,85.725 77.546,85.725 77.673,85.852 77.673,86.563 76.708,86.563 76.479,86.792 76.479,87.757 76.962,88.24 77.419,88.24
  region: 77.368,89.51
  region net +usb_c: 75.54,92.862 76.403,92.862 76.962,93.421 76.962,93.878 78.384,93.878 78.816,93.447 78.816,91.516 78.613,91.313 78.08,91.313 77.889,91.681 77.8,91.77 76.81,91.77 75.794,91.872 75.565,92.1
  region net -usb_micro: 61.773,17.835 61.773,14.059 62.42,13.411 64.821,13.411 64.821,13.767 62.827,13.767 62.332,14.262 62.332,18.293
  region net -usb_micro: 60.554,17.145 61.239,17.145 61.595,17.501 62.332,17.501 62.509,17.678 62.509,18.136 62.332,18.313 61.366,18.313 61.265,18.415 60.795,18.415
  region net +usb_micro: 62.433,10.16 62.357,10.084 61.646,10.084 61.087,9.525 60.503,9.525 60.503,10.795 60.706,10.998 62.154,10.998
  region net -usb_mini: 94.381,37.922 92.755,37.922 92.349,38.329 92.349,40.843 93.314,40.843 93.619,41.148 93.619,40.462 94.381,39.7
  region net +usb_mini: 83.738,37.998 85.465,37.998 85.999,38.532 85.999,42.875 85.745,43.129 85.008,42.393 84.932,42.393 84.932,42.139 83.738,40.945

## Silkscreen, mask and mechanical layers (free items; w line width, h text height)
Top Overlay:
  text "rst" at 18.999,22.25 h0.76 r270
  text "gnd" at 21.423,22.25 h0.76 r270
  text "clk" at 23.88,22.25 h0.76 r270
  text "dio" at 26.479,22.25 h0.76 r270
  text "3v3" at 28.956,22.25 h0.76 r270
Bottom Overlay:
  text "https://github.com/konosubakonoakua" at 31.217,22.733 h0.76 r270
  text "jlink v9 mini version" at 32.664,22.682 h0.76 r270
  text "swo" at 19.025,20.269 h0.76 r270
  text "gnd" at 21.448,20.269 h0.76 r270
  text "rxd" at 23.906,20.269 h0.76 r270
  text "txd" at 26.505,20.269 h0.76 r270
  text "3v3" at 28.981,20.269 h0.76 r270

## Text inside footprints (layer, text, board x,y; h text height)
P4: Top Overlay "type-c" at 70.787,93.678 h1.27 r270